# Altium PCB PicoHAL.pcbdoc (part 2 of 5)
Units mm, origin at the board's own origin, x right, y up, seen from the top; angles counter-clockwise.
Board outline 53.34 x 73.15 mm, 4 copper layers (Top Layer, GND, PWR, Bottom Layer), stack 1.807 mm thick; 173 components, 120 nets, 5460 pads, 269 vias.
Unrouted connection lines stored in the file: 1.
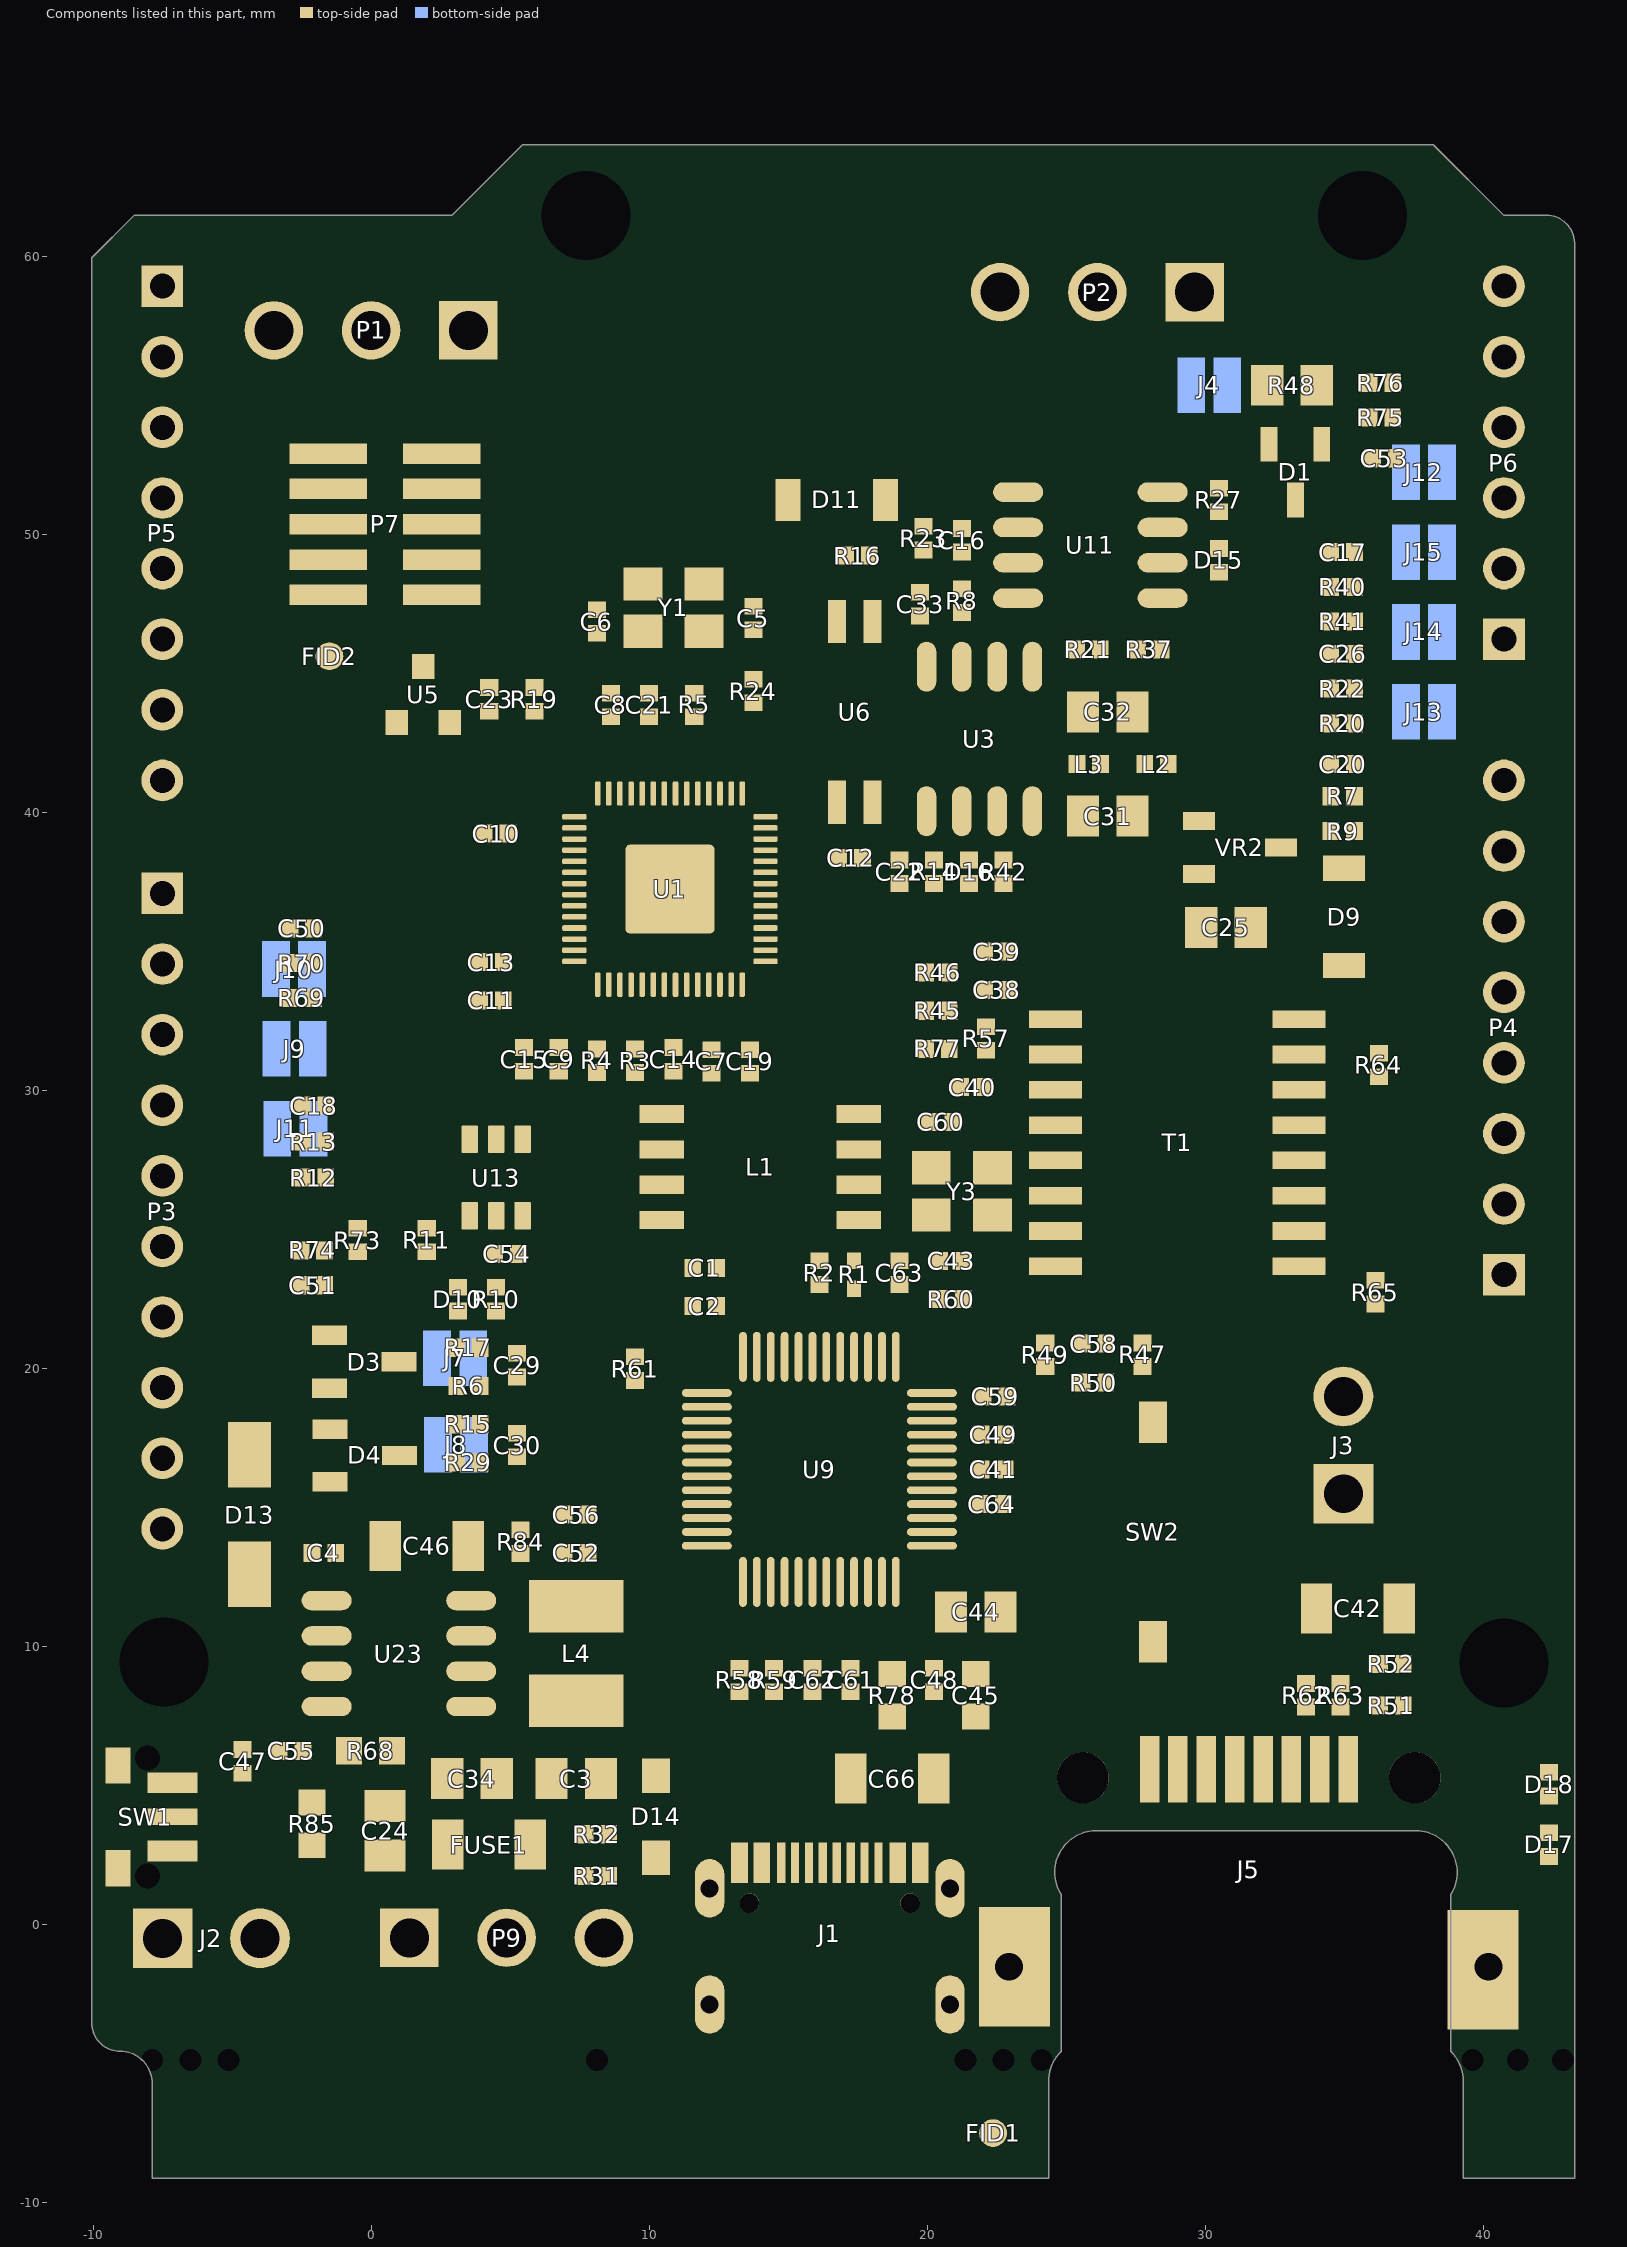
[diagram p4: the components of this part, seen from the top]

## Free pads (board coordinates)
  round 0.024 on Top Overlay: 1(6.672,55.814) 1(6.672,55.814) 1(6.679,55.911) 1(6.679,55.911) 1(6.685,55.808) 1(6.685,55.808) 1(6.691,55.937) 1(6.691,55.937) 1(6.704,56.014) 1(6.704,56.014) 1(6.723,55.821) 1(6.723,55.821) 1(6.736,56.092) 1(6.736,56.092) 1(6.743,56.136) 1(6.743,56.136) 1(6.769,56.188) 1(6.769,56.188) 1(6.775,55.872) 1(6.775,55.872) 1(6.775,56.221) 1(6.775,56.221) 1(6.782,55.892) 1(6.782,55.892) 1(6.794,55.898) 1(6.794,55.898) 1(6.801,55.917) 1(6.801,55.917) 1(6.82,55.937) 1(6.82,55.937) 1(6.82,56.311) 1(6.82,56.311) 1(6.827,55.956) 1(6.827,55.956) 1(6.84,56.382) 1(6.84,56.382) 1(6.846,55.975) 1(6.846,55.975) 1(6.859,56.407) 1(6.859,56.407) 1(6.865,56.44) 1(6.865,56.44) 1(6.872,56.033) 1(6.872,56.033) 1(6.885,56.472) 1(6.885,56.472) 1(6.885,56.04) 1(6.885,56.04) 1(6.891,56.059) 1(6.891,56.059) 1(6.891,56.504) 1(6.891,56.504) 1(6.904,56.065) 1(6.904,56.065) 1(6.904,58.6) 1(6.904,58.6) 1(6.911,56.085) 1(6.911,56.085) 1(6.911,58.754) 1(6.911,58.754) 1(6.923,58.413) 1(6.923,58.413) 1(6.923,58.773) 1(6.923,58.773) 1(6.93,56.104) 1(6.93,56.104) 1(6.93,56.569) 1(6.93,56.569) 1(6.936,56.601) 1(6.936,56.601) 1(6.936,56.124) 1(6.936,56.124) 1(6.936,58.386) 1(6.936,58.386) 1(6.943,58.329) 1(6.943,58.329) 1(6.943,58.78) 1(6.943,58.78) 1(6.949,58.767) 1(6.949,58.767) 1(6.956,56.143) 1(6.956,56.143) 1(6.962,58.271) 1(6.962,58.271) 1(6.962,58.767) 1(6.962,58.767) 1(6.975,56.672) 1(6.975,56.672) 1(6.981,56.704) 1(6.981,56.704) 1(6.981,56.201) 1(6.981,56.201) 1(6.994,58.09) 1(6.994,58.09) 1(6.994,58.722) 1(6.994,58.722) 1(7.001,56.221) 1(7.001,56.221) 1(7.007,56.24) 1(7.007,56.24) 1(7.007,58.69) 1(7.007,58.69) 1(7.013,58.69) 1(7.013,58.69) 1(7.027,58) 1(7.027,58) 1(7.027,56.259) 1(7.027,56.259) 1(7.033,56.279) 1(7.033,56.279) 1(7.033,58.644) 1(7.033,58.644) 1(7.04,58.644) 1(7.04,58.644) 1(7.046,56.82) 1(7.046,56.82) 1(7.046,58.612) 1(7.046,58.612) 1(7.052,58.612) 1(7.052,58.612) 1(7.052,56.298) 1(7.052,56.298) 1(7.052,56.852) 1(7.052,56.852) 1(7.059,56.317) 1(7.059,56.317) 1(7.059,57.852) 1(7.059,57.852) 1(7.065,58.567) 1(7.065,58.567) 1(7.072,58.567) 1(7.072,58.567) 1(7.078,56.336) 1(7.078,56.336) 1(7.084,56.356) 1(7.084,56.356) 1(7.091,58.503) 1(7.091,58.503) 1(7.098,58.503) 1(7.098,58.503) 1(7.104,58.471) 1(7.104,58.471) 1(7.11,58.471) 1(7.11,58.471) 1(7.123,56.407) 1(7.123,56.407) 1(7.13,56.427) 1(7.13,56.427) 1(7.13,57) 1(7.13,57) 1(7.13,58.413) 1(7.13,58.413) 1(7.136,58.413) 1(7.136,58.413) 1(7.142,57.619) 1(7.142,57.619) 1(7.142,58.38) 1(7.142,58.38) 1(7.149,57.575) 1(7.149,57.575) 1(7.149,58.38) 1(7.149,58.38) 1(7.156,58.348) 1(7.156,58.348) 1(7.162,56.472) 1(7.162,56.472) 1(7.162,57.046) 1(7.162,57.046) 1(7.162,58.348) 1(7.162,58.348) 1(7.169,57.536) 1(7.169,57.536) 1(7.169,58.316) 1(7.169,58.316) 1(7.175,58.316) 1(7.175,58.316) 1(7.175,56.504) 1(7.175,56.504) 1(7.175,57.078) 1(7.175,57.078) 1(7.175,57.49) 1(7.175,57.49) 1(7.188,56.511) 1(7.188,56.511) 1(7.188,58.264) 1(7.188,58.264) 1(7.194,56.53) 1(7.194,56.53) 1(7.194,58.264) 1(7.194,58.264) 1(7.201,58.232) 1(7.201,58.232) 1(7.207,58.232) 1(7.207,58.232) 1(7.213,56.549) 1(7.213,56.549) 1(7.213,57.394) 1(7.213,57.394) 1(7.213,58.2) 1(7.213,58.2) 1(7.22,57.361) 1(7.22,57.361) 1(7.22,56.569) 1(7.22,56.569) 1(7.22,57.162) 1(7.22,57.162) 1(7.22,58.2) 1(7.22,58.2) 1(7.227,58.167) 1(7.227,58.167) 1(7.233,58.167) 1(7.233,58.167) 1(7.239,58.135) 1(7.239,58.135) 1(7.246,57.31) 1(7.246,57.31) 1(7.246,56.594) 1(7.246,56.594) 1(7.246,58.135) 1(7.246,58.135) 1(7.252,56.613) 1(7.252,56.613) 1(7.252,57.207) 1(7.252,57.207) 1(7.252,57.278) 1(7.252,57.278) 1(7.252,58.103) 1(7.252,58.103) 1(7.259,58.103) 1(7.259,58.103) 1(7.265,57.239) 1(7.265,57.239) 1(7.271,56.633) 1(7.271,56.633) 1(7.271,57.246) 1(7.271,57.246) 1(7.271,58.058) 1(7.271,58.058) 1(7.278,56.652) 1(7.278,56.652) 1(7.278,58.058) 1(7.278,58.058) 1(7.284,58.026) 1(7.284,58.026) 1(7.291,58.026) 1(7.291,58.026) 1(7.298,56.672) 1(7.298,56.672) 1(7.304,57.981) 1(7.304,57.981) 1(7.31,57.981) 1(7.31,57.981) 1(7.31,56.704) 1(7.31,56.704) 1(7.323,56.71) 1(7.323,56.71) 1(7.33,56.73) 1(7.33,56.73) 1(7.336,57.929) 1(7.336,57.929) 1(7.355,56.756) 1(7.355,56.756) 1(7.362,57.838) 1(7.362,57.838) 1(7.362,56.775) 1(7.362,56.775) 1(7.368,57.838) 1(7.368,57.838) 1(7.375,57.806) 1(7.375,57.806) 1(7.375,56.781) 1(7.375,56.781) 1(7.381,56.801) 1(7.381,56.801) 1(7.381,57.806) 1(7.381,57.806) 1(7.394,56.807) 1(7.394,56.807) 1(7.4,56.827) 1(7.4,56.827) 1(7.413,56.833) 1(7.413,56.833) 1(7.42,56.852) 1(7.42,56.852) 1(7.439,56.865) 1(7.439,56.865) 1(7.452,57.665) 1(7.452,57.665) 1(7.459,57.632) 1(7.459,57.632) 1(7.465,57.632) 1(7.465,57.632) 1(7.478,57.594) 1(7.478,57.594) 1(7.497,56.756) 1(7.497,56.756) 1(7.517,57.632) 1(7.517,57.632) 1(7.523,57.652) 1(7.523,57.652) 1(7.549,57.697) 1(7.549,57.697) 1(7.568,57.716) 1(7.568,57.716) 1(7.575,57.736) 1(7.575,57.736) 1(7.588,56.581) 1(7.588,56.581) 1(7.594,56.562) 1(7.594,56.562) 1(7.6,57.755) 1(7.6,57.755) 1(7.607,57.774) 1(7.607,57.774) 1(7.62,57.781) 1(7.62,57.781) 1(7.626,57.8) 1(7.626,57.8) 1(7.626,56.517) 1(7.626,56.517) 1(7.633,56.498) 1(7.633,56.498) 1(7.652,56.479) 1(7.652,56.479) 1(7.658,56.459) 1(7.658,56.459) 1(7.665,57.838) 1(7.665,57.838) 1(7.671,57.858) 1(7.671,57.858) 1(7.678,56.44) 1(7.678,56.44) 1(7.684,56.42) 1(7.684,56.42) 1(7.69,57.188) 1(7.69,57.188) 1(7.697,57.188) 1(7.697,57.188) 1(7.697,56.414) 1(7.697,56.414) 1(7.697,57.903) 1(7.697,57.903) 1(7.704,56.394) 1(7.704,56.394) 1(7.71,57.155) 1(7.71,57.155) 1(7.717,57.155) 1(7.717,57.155) 1(7.723,57.923) 1(7.723,57.923) 1(7.723,57.22) 1(7.723,57.22) 1(7.729,57.239) 1(7.729,57.239) 1(7.729,57.942) 1(7.729,57.942) 1(7.736,57.11) 1(7.736,57.11) 1(7.736,56.35) 1(7.736,56.35) 1(7.742,56.33) 1(7.742,56.33) 1(7.742,57.11) 1(7.742,57.11) 1(7.755,57.078) 1(7.755,57.078) 1(7.755,57.258) 1(7.755,57.258) 1(7.761,56.311) 1(7.761,56.311) 1(7.761,57.078) 1(7.761,57.078) 1(7.761,57.278) 1(7.761,57.278) 1(7.768,56.291) 1(7.768,56.291) 1(7.775,57.046) 1(7.775,57.046) 1(7.781,57.046) 1(7.781,57.046) 1(7.787,56.272) 1(7.787,56.272) 1(7.787,57.297) 1(7.787,57.297) 1(7.794,56.253) 1(7.794,56.253) 1(7.794,57.317) 1(7.794,57.317) 1(7.794,58) 1(7.794,58) 1(7.794,57.013) 1(7.794,57.013) 1(7.8,57.013) 1(7.8,57.013) 1(7.8,58.019) 1(7.8,58.019) 1(7.807,56.246) 1(7.807,56.246) 1(7.813,56.227) 1(7.813,56.227) 1(7.813,56.981) 1(7.813,56.981) 1(7.819,56.981) 1(7.819,56.981) 1(7.826,56.962) 1(7.826,56.962) 1(7.826,57.342) 1(7.826,57.342) 1(7.826,58.038) 1(7.826,58.038) 1(7.826,56.221) 1(7.826,56.221) 1(7.832,56.201) 1(7.832,56.201) 1(7.832,57.361) 1(7.832,57.361) 1(7.832,56.962) 1(7.832,56.962) 1(7.832,58.058) 1(7.832,58.058) 1(7.839,56.942) 1(7.839,56.942) 1(7.846,56.194) 1(7.846,56.194) 1(7.846,56.942) 1(7.846,56.942) 1(7.852,56.175) 1(7.852,56.175) 1(7.852,56.923) 1(7.852,56.923) 1(7.858,56.923) 1(7.858,56.923) 1(7.858,58.077) 1(7.858,58.077) 1(7.865,58.096) 1(7.865,58.096) 1(7.865,56.904) 1(7.865,56.904) 1(7.871,56.162) 1(7.871,56.162) 1(7.871,56.904) 1(7.871,56.904) 1(7.878,56.143) 1(7.878,56.143) 1(7.878,56.884) 1(7.878,56.884) 1(7.884,56.884) 1(7.884,56.884) 1(7.897,58.123) 1(7.897,58.123) 1(7.903,56.124) 1(7.903,56.124) 1(7.903,58.142) 1(7.903,58.142) 1(7.91,56.104) 1(7.91,56.104) 1(7.91,56.839) 1(7.91,56.839) 1(7.916,56.839) 1(7.916,56.839) 1(7.929,56.813) 1(7.929,56.813) 1(7.936,56.085) 1(7.936,56.085) 1(7.936,56.813) 1(7.936,56.813) 1(7.942,56.065) 1(7.942,56.065) 1(7.942,56.794) 1(7.942,56.794) 1(7.948,56.794) 1(7.948,56.794) 1(7.961,56.769) 1(7.961,56.769) 1(7.968,56.046) 1(7.968,56.046) 1(7.968,56.769) 1(7.968,56.769) 1(7.975,56.027) 1(7.975,56.027) 1(7.975,56.749) 1(7.975,56.749) 1(7.981,56.749) 1(7.981,56.749) 1(7.994,56.723) 1(7.994,56.723) 1(8,56.008) 1(8,56.008) 1(8,56.723) 1(8,56.723) 1(8.007,55.988) 1(8.007,55.988) 1(8.007,56.704) 1(8.007,56.704) 1(8.007,57.529) 1(8.007,57.529) 1(8.013,56.704) 1(8.013,56.704) 1(8.013,57.548) 1(8.013,57.548) 1(8.026,56.678) 1(8.026,56.678) 1(8.032,56.678) 1(8.032,56.678) 1(8.039,56.659) 1(8.039,56.659) 1(8.045,56.659) 1(8.045,56.659) 1(8.045,57.581) 1(8.045,57.581) 1(8.058,56.633) 1(8.058,56.633) 1(8.065,57.587) 1(8.065,57.587) 1(8.065,56.633) 1(8.065,56.633) 1(8.084,56.613) 1(8.084,56.613) 1(8.084,57.613) 1(8.084,57.613) 1(8.09,56.594) 1(8.09,56.594) 1(8.097,56.594) 1(8.097,56.594) 1(8.103,57.619) 1(8.103,57.619) 1(8.123,56.569) 1(8.123,56.569) 1(8.123,58.361) 1(8.123,58.361) 1(8.129,56.549) 1(8.129,56.549) 1(8.136,56.549) 1(8.136,56.549) 1(8.142,58.367) 1(8.142,58.367) 1(8.168,57.69) 1(8.168,57.69) 1(8.187,57.697) 1(8.187,57.697) 1(8.2,56.485) 1(8.2,56.485) 1(8.2,58.432) 1(8.2,58.432) 1(8.206,56.465) 1(8.206,56.465) 1(8.206,57.723) 1(8.206,57.723) 1(8.213,56.465) 1(8.213,56.465) 1(8.219,58.438) 1(8.219,58.438) 1(8.226,57.729) 1(8.226,57.729) 1(8.245,55.75) 1(8.245,55.75) 1(8.245,58.464) 1(8.245,58.464) 1(8.252,57.761) 1(8.252,57.761) 1(8.265,55.743) 1(8.265,55.743) 1(8.265,58.471) 1(8.265,58.471) 1(8.271,57.768) 1(8.271,57.768) 1(8.284,55.717) 1(8.284,55.717) 1(8.284,58.496) 1(8.284,58.496) 1(8.303,55.711) 1(8.303,55.711) 1(8.303,58.503) 1(8.303,58.503) 1(8.309,57.806) 1(8.309,57.806) 1(8.329,58.535) 1(8.329,58.535) 1(8.329,55.679) 1(8.329,55.679) 1(8.329,57.813) 1(8.329,57.813) 1(8.335,57.826) 1(8.335,57.826) 1(8.348,55.673) 1(8.348,55.673) 1(8.348,58.542) 1(8.348,58.542) 1(8.355,57.832) 1(8.355,57.832) 1(8.367,55.646) 1(8.367,55.646) 1(8.367,58.567) 1(8.367,58.567) 1(8.38,56.291) 1(8.38,56.291) 1(8.387,55.64) 1(8.387,55.64) 1(8.387,58.574) 1(8.387,58.574) 1(8.394,56.291) 1(8.394,56.291) 1(8.394,57.871) 1(8.394,57.871) 1(8.4,55.621) 1(8.4,55.621) 1(8.413,57.877) 1(8.413,57.877) 1(8.413,58.6) 1(8.413,58.6) 1(8.419,55.614) 1(8.419,55.614) 1(8.419,56.259) 1(8.419,56.259) 1(8.426,55.602) 1(8.426,55.602) 1(8.432,56.259) 1(8.432,56.259) 1(8.432,58.606) 1(8.432,58.606) 1(8.438,57.903) 1(8.438,57.903) 1(8.445,55.595) 1(8.445,55.595) 1(8.452,55.582) 1(8.452,55.582) 1(8.458,57.909) 1(8.458,57.909) 1(8.458,58.632) 1(8.458,58.632) 1(8.464,56.221) 1(8.464,56.221) 1(8.471,55.576) 1(8.471,55.576) 1(8.477,56.221) 1(8.477,56.221) 1(8.477,58.638) 1(8.477,58.638) 1(8.484,57.935) 1(8.484,57.935) 1(8.49,55.556) 1(8.49,55.556) 1(8.503,56.188) 1(8.503,56.188) 1(8.503,57.942) 1(8.503,57.942) 1(8.503,58.664) 1(8.503,58.664) 1(8.509,55.55) 1(8.509,55.55) 1(8.516,56.188) 1(8.516,56.188) 1(8.529,55.531) 1(8.529,55.531) 1(8.529,56.169) 1(8.529,56.169) 1(8.529,57.967) 1(8.529,57.967) 1(8.542,56.169) 1(8.542,56.169) 1(8.548,56.156) 1(8.548,56.156) 1(8.548,57.974) 1(8.548,57.974) 1(8.555,57.987) 1(8.555,57.987) 1(8.561,55.517) 1(8.561,55.517) 1(8.561,56.156) 1(8.561,56.156) 1(8.574,58.696) 1(8.574,58.696) 1(8.574,56.136) 1(8.574,56.136) 1(8.58,55.498) 1(8.58,55.498) 1(8.587,56.136) 1(8.587,56.136) 1(8.593,56.124) 1(8.593,56.124) 1(8.6,55.492) 1(8.6,55.492) 1(8.6,58.006) 1(8.6,58.006) 1(8.6,58.722) 1(8.6,58.722) 1(8.606,56.124) 1(8.606,56.124) 1(8.619,55.473) 1(8.619,55.473) 1(8.619,56.104) 1(8.619,56.104) 1(8.619,58.026) 1(8.619,58.026) 1(8.632,56.104) 1(8.632,56.104) 1(8.638,56.092) 1(8.638,56.092) 1(8.638,55.466) 1(8.638,55.466) 1(8.638,58.032) 1(8.638,58.032) 1(8.645,58.045) 1(8.645,58.045) 1(8.645,58.741) 1(8.645,58.741) 1(8.651,56.092) 1(8.651,56.092) 1(8.664,56.072) 1(8.664,56.072) 1(8.677,56.072) 1(8.677,56.072) 1(8.684,55.434) 1(8.684,55.434) 1(8.684,56.059) 1(8.684,56.059) 1(8.69,58.071) 1(8.69,58.071) 1(8.696,58.773) 1(8.696,58.773) 1(8.696,56.059) 1(8.696,56.059) 1(8.703,55.427) 1(8.703,55.427) 1(8.703,56.046) 1(8.703,56.046) 1(8.716,56.046) 1(8.716,56.046) 1(8.722,56.033) 1(8.722,56.033) 1(8.722,58.084) 1(8.722,58.084) 1(8.735,56.033) 1(8.735,56.033) 1(8.742,56.021) 1(8.742,56.021) 1(8.742,58.103) 1(8.742,58.103) 1(8.742,58.8) 1(8.742,58.8) 1(8.748,55.395) 1(8.748,55.395) 1(8.754,56.021) 1(8.754,56.021) 1(8.761,56.008) 1(8.761,56.008) 1(8.774,56.008) 1(8.774,56.008) 1(8.786,58.129) 1(8.786,58.129) 1(8.793,55.988) 1(8.793,55.988) 1(8.806,55.988) 1(8.806,55.988) 1(8.832,58.155) 1(8.832,58.155) 1(8.864,58.161) 1(8.864,58.161) 1(8.871,55.331) 1(8.871,55.331) 1(8.903,55.324) 1(8.903,55.324) 1(8.915,55.311) 1(8.915,55.311) 1(8.948,55.305) 1(8.948,55.305) 1(8.948,58.909) 1(8.948,58.909) 1(8.974,55.286) 1(8.974,55.286) 1(8.98,58.225) 1(8.98,58.225) 1(9.006,55.279) 1(9.006,55.279) 1(9.012,58.232) 1(9.012,58.232) 1(9.019,58.928) 1(9.019,58.928) 1(9.025,58.245) 1(9.025,58.245) 1(9.025,55.872) 1(9.025,55.872) 1(9.044,55.872) 1(9.044,55.872) 1(9.051,55.254) 1(9.051,55.254) 1(9.057,58.954) 1(9.057,58.954) 1(9.071,55.853) 1(9.071,55.853) 1(9.077,58.258) 1(9.077,58.258) 1(9.09,55.853) 1(9.09,55.853) 1(9.103,55.84) 1(9.103,55.84) 1(9.122,55.84) 1(9.122,55.84) 1(9.128,58.284) 1(9.128,58.284) 1(9.154,55.821) 1(9.154,55.821) 1(9.161,55.215) 1(9.161,55.215) 1(9.167,58.986) 1(9.167,58.986) 1(9.173,55.821) 1(9.173,55.821) 1(9.225,55.795) 1(9.225,55.795) 1(9.238,58.316) 1(9.238,58.316) 1(9.244,55.795) 1(9.244,55.795) 1(9.27,55.176) 1(9.27,55.176) 1(9.283,55.775) 1(9.283,55.775) 1(9.283,59.031) 1(9.283,59.031) 1(9.29,58.342) 1(9.29,58.342) 1(9.309,55.775) 1(9.309,55.775) 1(9.322,55.763) 1(9.322,55.763) 1(9.341,59.038) 1(9.341,59.038) 1(9.341,55.763) 1(9.341,55.763) 1(9.354,58.354) 1(9.354,58.354) 1(9.386,55.75) 1(9.386,55.75) 1(9.393,58.374) 1(9.393,58.374) 1(9.399,59.063) 1(9.399,59.063) 1(9.444,55.731) 1(9.444,55.731) 1(9.451,55.131) 1(9.451,55.131) 1(9.477,55.731) 1(9.477,55.731) 1(9.496,55.717) 1(9.496,55.717) 1(9.496,58.4) 1(9.496,58.4) 1(9.509,55.125) 1(9.509,55.125) 1(9.522,59.083) 1(9.522,59.083) 1(9.528,55.717) 1(9.528,55.717) 1(9.554,55.705) 1(9.554,55.705) 1(9.554,58.406) 1(9.554,58.406) 1(9.592,55.705) 1(9.592,55.705) 1(9.612,58.425) 1(9.612,58.425) 1(9.619,55.692) 1(9.619,55.692) 1(9.631,55.092) 1(9.631,55.092) 1(9.644,59.115) 1(9.644,59.115) 1(9.651,55.692) 1(9.651,55.692) 1(9.676,55.679) 1(9.676,55.679) 1(9.696,58.432) 1(9.696,58.432) 1(9.709,55.679) 1(9.709,55.679) 1(9.728,58.445) 1(9.728,58.445) 1(9.734,55.666) 1(9.734,55.666) 1(9.767,55.666) 1(9.767,55.666) 1(9.805,59.134) 1(9.805,59.134) 1(9.812,58.451) 1(9.812,58.451) 1(9.825,55.653) 1(9.825,55.653) 1(9.838,59.148) 1(9.838,59.148) 1(9.844,58.464) 1(9.844,58.464) 1(9.889,55.653) 1(9.889,55.653) 1(9.928,58.477) 1(9.928,58.477) 1(9.947,55.64) 1(9.947,55.64) 1(9.954,55.047) 1(9.954,55.047) 1(10.011,55.64) 1(10.011,55.64) 1(10.038,59.167) 1(10.038,59.167) 1(10.108,58.49) 1(10.108,58.49) 1(10.14,55.621) 1(10.14,55.621) 1(10.173,59.173) 1(10.173,59.173) 1(10.269,55.621) 1(10.269,55.621) 1(10.302,55.028) 1(10.302,55.028) 1(10.418,58.496) 1(10.418,58.496) 1(10.592,59.167) 1(10.592,59.167) 1(10.618,58.483) 1(10.618,58.483) 1(10.663,59.167) 1(10.663,59.167) 1(10.747,58.464) 1(10.747,58.464) 1(10.779,55.614) 1(10.779,55.614) 1(10.869,58.458) 1(10.869,58.458) 1(10.882,59.141) 1(10.882,59.141) 1(10.895,55.034) 1(10.895,55.034) 1(10.921,58.445) 1(10.921,58.445) 1(10.959,59.141) 1(10.959,59.141) 1(11.005,58.438) 1(11.005,58.438) 1(11.075,58.419) 1(11.075,58.419) 1(11.134,55.64) 1(11.134,55.64) 1(11.14,59.115) 1(11.14,59.115) 1(11.179,58.406) 1(11.179,58.406) 1(11.198,55.653) 1(11.198,55.653) 1(11.256,59.09) 1(11.256,59.09) 1(11.327,58.367) 1(11.327,58.367) 1(11.333,55.66) 1(11.333,55.66) 1(11.333,59.09) 1(11.333,59.09) 1(11.359,55.073) 1(11.359,55.073) 1(11.372,58.361) 1(11.372,58.361) 1(11.392,58.348) 1(11.392,58.348) 1(11.411,59.063) 1(11.411,59.063) 1(11.449,59.063) 1(11.449,59.063) 1(11.501,58.329) 1(11.501,58.329) 1(11.521,58.316) 1(11.521,58.316) 1(11.565,59.031) 1(11.565,59.031) 1(11.585,58.303) 1(11.585,58.303) 1(11.604,59.031) 1(11.604,59.031) 1(11.617,58.284) 1(11.617,58.284) 1(11.688,58.271) 1(11.688,58.271) 1(11.727,55.118) 1(11.727,55.118) 1(11.811,55.137) 1(11.811,55.137) 1(11.823,58.219) 1(11.823,58.219) 1(11.843,55.731) 1(11.843,55.731) 1(11.875,55.743) 1(11.875,55.743) 1(11.894,55.144) 1(11.894,55.144) 1(11.933,58.187) 1(11.933,58.187) 1(11.946,55.75) 1(11.946,55.75) 1(11.965,58.167) 1(11.965,58.167) 1(11.972,58.941) 1(11.972,58.941) 1(12.055,55.176) 1(12.055,55.176) 1(12.055,58.142) 1(12.055,58.142) 1(12.088,58.896) 1(12.088,58.896) 1(12.101,58.116) 1(12.101,58.116) 1(12.107,55.782) 1(12.107,55.782) 1(12.113,58.896) 1(12.113,58.896) 1(12.139,55.182) 1(12.139,55.182) 1(12.21,55.788) 1(12.21,55.788) 1(12.217,55.202) 1(12.217,55.202) 1(12.249,58.071) 1(12.249,58.071) 1(12.268,55.808) 1(12.268,55.808) 1(12.288,55.208) 1(12.288,55.208) 1(12.294,58.045) 1(12.294,58.045) 1(12.32,55.221) 1(12.32,55.221) 1(12.326,58.038) 1(12.326,58.038) 1(12.326,58.825) 1(12.326,58.825) 1(12.352,55.814) 1(12.352,55.814) 1(12.352,58.825) 1(12.352,58.825) 1(12.359,58.019) 1(12.359,58.019) 1(12.378,58.806) 1(12.378,58.806) 1(12.397,58.806) 1(12.397,58.806) 1(12.41,58.793) 1(12.41,58.793) 1(12.429,55.834) 1(12.429,55.834) 1(12.429,58.793) 1(12.429,58.793) 1(12.468,57.987) 1(12.468,57.987) 1(12.488,58.767) 1(12.488,58.767) 1(12.5,57.967) 1(12.5,57.967) 1(12.513,55.84) 1(12.513,55.84) 1(12.513,58.767) 1(12.513,58.767) 1(12.532,57.961) 1(12.532,57.961) 1(12.539,58.748) 1(12.539,58.748) 1(12.546,57.948) 1(12.546,57.948) 1(12.552,55.26) 1(12.552,55.26) 1(12.558,58.748) 1(12.558,58.748) 1(12.571,58.735) 1(12.571,58.735) 1(12.578,57.942) 1(12.578,57.942) 1(12.59,58.735) 1(12.59,58.735) 1(12.61,55.279) 1(12.61,55.279) 1(12.649,58.709) 1(12.649,58.709) 1(12.655,55.866) 1(12.655,55.866) 1(12.661,57.897) 1(12.661,57.897) 1(12.668,55.286) 1(12.668,55.286) 1(12.674,58.709) 1(12.674,58.709) 1(12.681,55.879) 1(12.681,55.879) 1(12.7,58.69) 1(12.7,58.69) 1(12.713,57.884) 1(12.713,57.884) 1(12.719,58.69) 1(12.719,58.69) 1(12.726,55.305) 1(12.726,55.305) 1(12.732,58.677) 1(12.732,58.677) 1(12.752,58.677) 1(12.752,58.677) 1(12.765,55.885) 1(12.765,55.885) 1(12.765,57.852) 1(12.765,57.852) 1(12.765,58.664) 1(12.765,58.664) 1(12.784,58.664) 1(12.784,58.664) 1(12.784,55.311) 1(12.784,55.311) 1(12.797,57.845) 1(12.797,57.845) 1(12.797,58.651) 1(12.797,58.651) 1(12.816,58.651) 1(12.816,58.651) 1(12.842,55.331) 1(12.842,55.331) 1(12.855,55.911) 1(12.855,55.911) 1(12.861,57.806) 1(12.861,57.806) 1(12.861,58.625) 1(12.861,58.625) 1(12.88,58.625) 1(12.88,58.625) 1(12.894,57.8) 1(12.894,57.8) 1(12.894,58.612) 1(12.894,58.612) 1(12.9,55.337) 1(12.9,55.337) 1(12.913,58.612) 1(12.913,58.612) 1(12.926,57.781) 1(12.926,57.781) 1(12.939,55.917) 1(12.939,55.917) 1(12.958,55.356) 1(12.958,55.356) 1(12.958,57.774) 1(12.958,57.774) 1(12.977,58.574) 1(12.977,58.574) 1(12.997,58.574) 1(12.997,58.574) 1(13.009,57.742) 1(13.009,57.742) 1(13.009,58.561) 1(13.009,58.561) 1(13.016,55.363) 1(13.016,55.363) 1(13.029,55.943) 1(13.029,55.943) 1(13.029,58.561) 1(13.029,58.561) 1(13.042,57.736) 1(13.042,57.736) 1(13.042,58.548) 1(13.042,58.548) 1(13.061,58.548) 1(13.061,58.548) 1(13.106,55.389) 1(13.106,55.389) 1(13.119,55.956) 1(13.119,55.956) 1(13.19,57.658) 1(13.19,57.658) 1(13.197,55.402) 1(13.197,55.402) 1(13.203,55.982) 1(13.203,55.982) 1(13.222,58.464) 1(13.222,58.464) 1(13.242,58.464) 1(13.242,58.464) 1(13.287,57.607) 1(13.287,57.607) 1(13.319,57.6) 1(13.319,57.6) 1(13.326,55.995) 1(13.326,55.995) 1(13.377,55.453) 1(13.377,55.453) 1(13.384,58.386) 1(13.384,58.386) 1(13.403,58.386) 1(13.403,58.386) 1(13.428,56.021) 1(13.428,56.021) 1(13.467,58.348) 1(13.467,58.348) 1(13.474,56.04) 1(13.474,56.04) 1(13.487,58.348) 1(13.487,58.348) 1(13.493,58.335) 1(13.493,58.335) 1(13.506,58.335) 1(13.506,58.335) 1(13.513,57.497) 1(13.513,57.497) 1(13.525,58.316) 1(13.525,58.316) 1(13.538,58.316) 1(13.538,58.316) 1(13.584,58.284) 1(13.584,58.284) 1(13.596,58.284) 1(13.596,58.284) 1(13.654,56.072) 1(13.654,56.072) 1(13.713,58.219) 1(13.713,58.219) 1(13.732,58.219) 1(13.732,58.219) 1(13.738,58.206) 1(13.738,58.206) 1(13.751,58.206) 1(13.751,58.206) 1(13.771,58.187) 1(13.771,58.187) 1(13.777,57.368) 1(13.777,57.368) 1(13.783,58.187) 1(13.783,58.187) 1(13.796,56.104) 1(13.796,56.104) 1(13.796,57.349) 1(13.796,57.349) 1(13.815,57.342) 1(13.815,57.342) 1(13.828,58.155) 1(13.828,58.155) 1(13.842,58.155) 1(13.842,58.155) 1(13.842,56.124) 1(13.842,56.124) 1(13.861,57.31) 1(13.861,57.31) 1(13.899,58.123) 1(13.899,58.123) 1(13.906,57.284) 1(13.906,57.284) 1(13.919,58.103) 1(13.919,58.103) 